# KiCad board panel.kicad_pcb (continued)
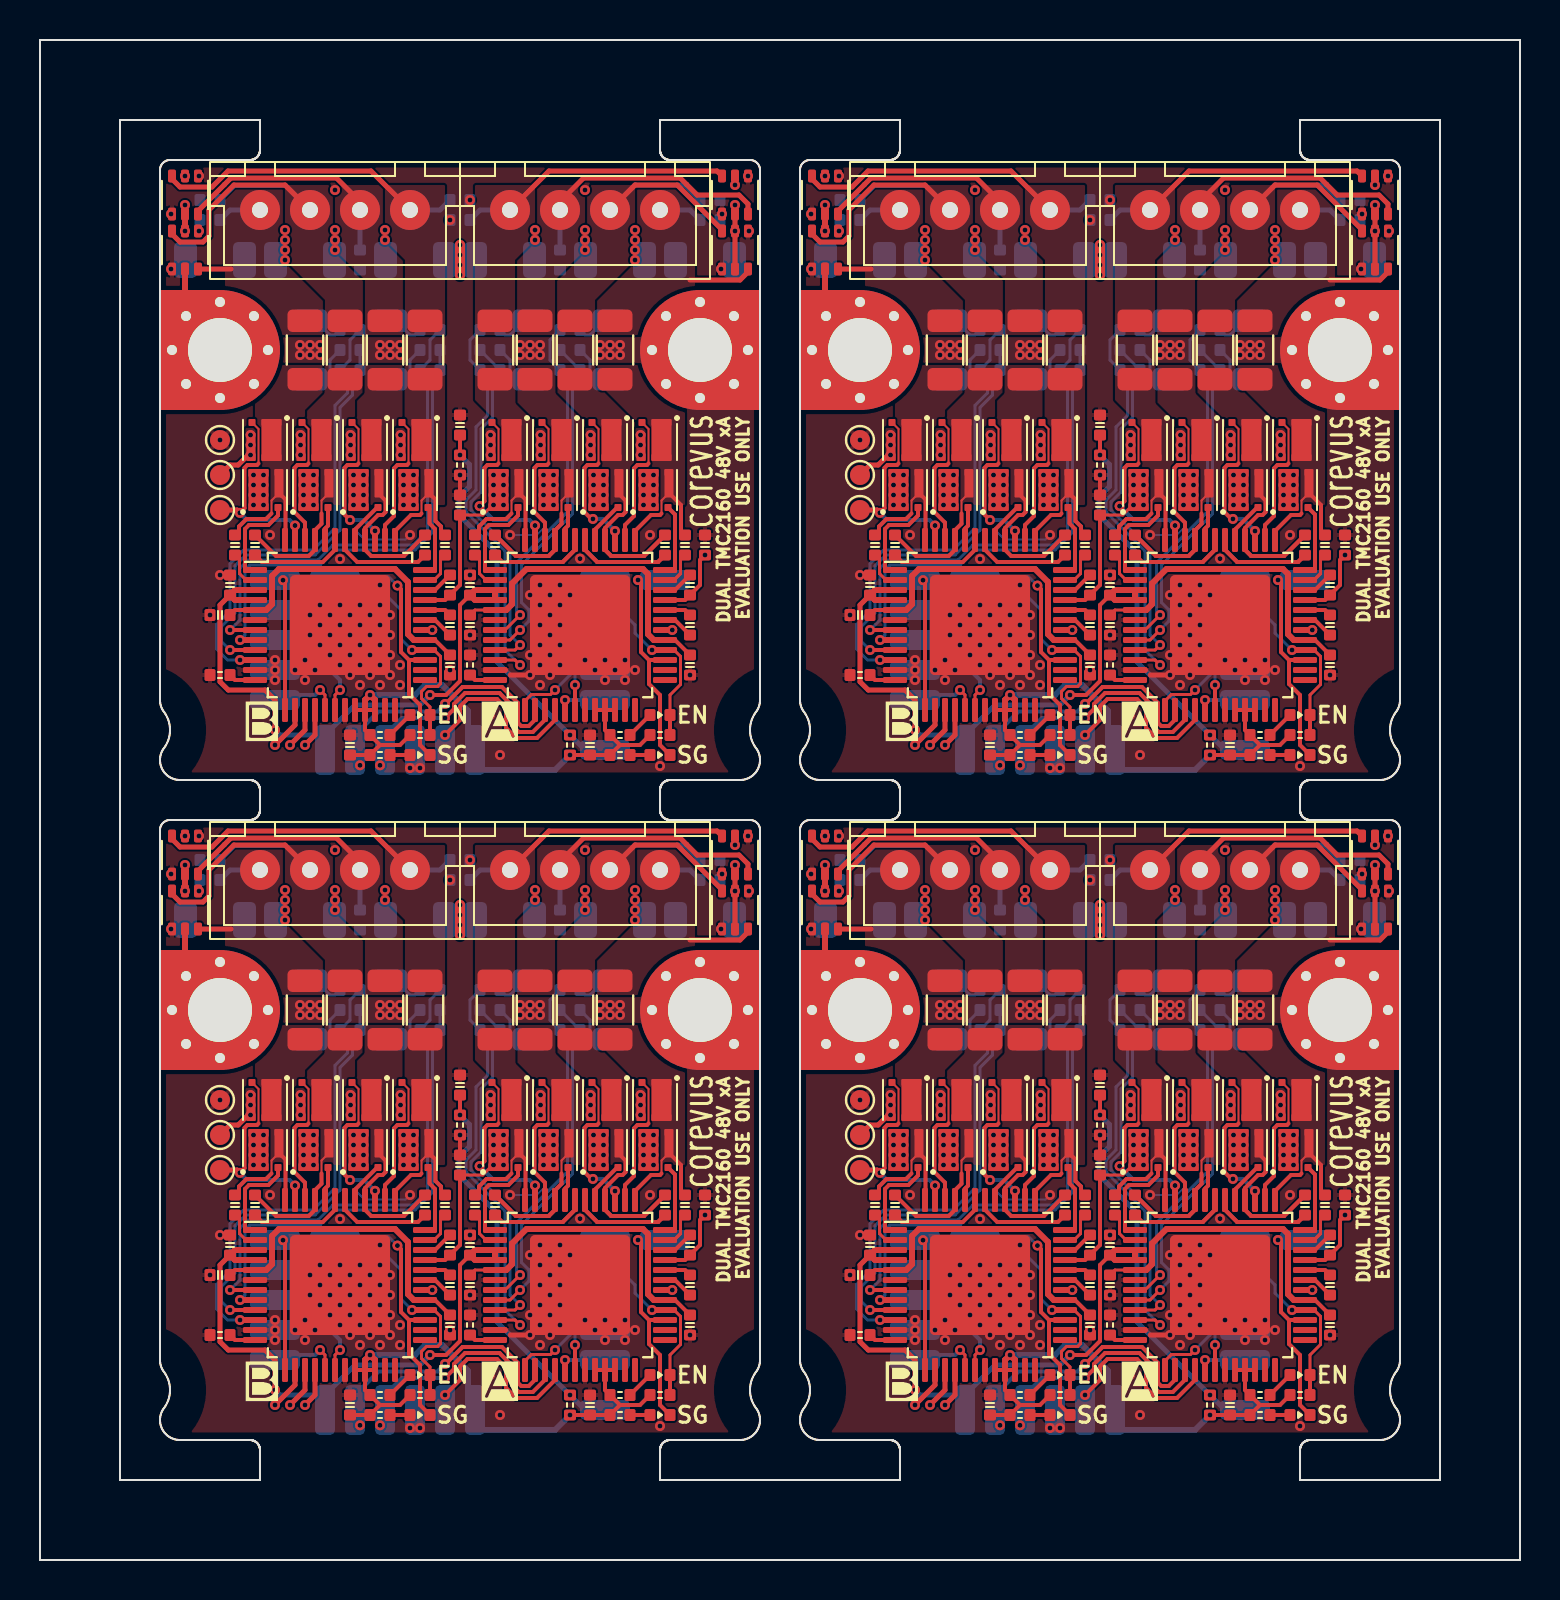
[diagram p0: board, top side]
## Routing (per net, layer and track width the routed paths; a pad name or vN(x,y) marks a point on that pad's centre or on a via; arc(x,y) is an arc through that point) (continued)
Board_2-Net-(U1-CA2): length 3.9
  Top w0.15: 31.71,16 32.03,16.32 ; 31.71,16 U1#4.35 31.71,16 ; 31.71,16 32.03,16.32 ; 32.03,16.32 32.03,17.03 ; 32.03,16.32 32.03,17.03 ; 32.03,17.03 C11#3.1 32.03,17.03
Board_2-Net-(U1-CB1): length 1.9
  Top w0.15: U1#4.2 22.29,16 21.97,16.32 21.97,17.03 C8#2.1
Board_2-Net-(U1-CB2): length 9.8
  Top w0.2: 26.75,17.51 U1#4.43 26.75,17.51 ; 26.75,17.51 26.14,16.9 ; 26.75,17.51 26.14,16.9 ; 23.1,16.9 26.14,16.9 ; 23.1,16.9 C9#4.1 23.1,16.9 ; 23.1,16.9 26.14,16.9
Board_2-Net-(U1-CLK): length 1.4
  Top w0.2: U1#4.12 21.75,11 R3#3.1
Board_2-Net-(U1-CPI): length 1.4
  Top w0.2: U1#4.32 32.25,14.5 C2.2
Board_2-Net-(U1-CPO): length 1.6
  Top w0.2: C2.1 31.75,14 U1#4.31
Board_2-Net-(U1-VCP): length 1.6
  Top w0.2: 32.53,16.28 31.75,15.5 U1#4.34
Board_2-Net-(U2-5VOUT): length 16.1
  Top w0.2: U2#4.5 9.75,14.5 C24#4.2 ; U2#4.29 19.75,13 C25#2.2
  Top w0.3: U2#4.29 18.69,13 18.4,13.29 18.4,15.9 17.75,16.55 11.95,16.55 11.6,16.2 11.6,14.79 11.31,14.5 U2#4.5
Board_2-Net-(U2-CA1): length 4.9
  Top w0.2: U2#4.42 15.25,17.51 15.86,16.9 18.9,16.9 C31#4.1
Board_2-Net-(U2-CA2): length 1.9
  Top w0.15: U2#4.35 19.71,16 20.03,16.32 20.03,17.03 C32#3.1
Board_2-Net-(U2-CB1): length 1.9
  Top w0.15: C29.1 9.97,17.03 9.97,16.32 10.29,16 U2#4.2
Board_2-Net-(U2-CB2): length 4.9
  Top w0.2: C30#4.1 11.1,16.9 14.14,16.9 14.75,17.51 U2#4.43
Board_2-Net-(U2-CLK): length 1.4
  Top w0.2: R5.1 9.75,11 U2#4.12
Board_2-Net-(U2-CPI): length 1.4
  Top w0.2: U2#4.32 20.25,14.5 C23#2.2
Board_2-Net-(U2-CPO): length 1.6
  Top w0.2: C23#2.1 19.75,14 U2#4.31
Board_2-Net-(U2-VCP): length 1.6
  Top w0.2: U2#4.34 19.75,15.5 C22#2.1
Board_2-VCC: length 28.9
  Top w0.2: 29,7.75 30,7.75 R2#4.1 ; 29,7.75 R16#2.1 C3#3.2 v1(26.5,7.25) ; 29,7.75 R1#4.1 28.25,8.5 U1#4.21 ; C26#3.2 R7#2.1 17,7.75 ; U2#4.21 U2#4.22 ; U2#4.21 16.25,8.5 R6.1 17,7.75 ; U2#4.21 U2#4.20 ; 17,7.75 18,7.75 R4#3.1 ; U1#4.21 U1#4.20 ; U1#4.21 U1#4.22
  Top w0.3: U2#4.22 16.75,10 v1(16.5,10.25) 16.25,10 U2#4.21
  Bottom w0.15: 21.9,7.4 21.75,7.25
  Bottom w0.3: v1(16.5,10.25) 18.75,10.25 19.25,10.75 20.11,10.75 21.4,9.46 21.4,7.6 21.75,7.25 ; 21.75,6.5 25.75,6.5 v1(26.5,7.25)
Board_3-+12V: length 31.1
  Top w0.2: C6.1 53,14.75 53,10.95 52.3,10.25 v1(51.5,10.25)
  Top w0.25: C27#4.1 41,14.75 41,10.91 41.41,10.5 43.25,10.5 43.75,10 v1(43.75,8.5)
  Top w0.3: U2#3.4 41.75,15 C27#4.1 41.75,15.5 U2#3.3 ; U1#2.3 53.75,15.5 C6.1 53.75,15 U1#2.4 U1#2.3
  Bottom w0.25: v1(51.5,10.25) 51,9.75 47.75,9.75 46.25,8.25 ; 46.25,8.25 46.25,7.25 ; 46.25,8.25 44,8.25 v1(43.75,8.5)
Board_3-+48V: length 19.1
  Top w0.15: v1(54.68,19.75) 54.63,19.75 54.13,19.25 C28#2.1
  Top w0.2: C28#2.1 53,15.75 52.25,15 U2#3.33 ; v1(65.25,17.25) 65,17 65,15.75 C1#3.2 64.25,15 U1#2.33
  Top w0.25: v1(66.75,34.75) D3#4.5 v1(66.75,33.45) D4#2.2 ; D3#4.2 v1(66.75,35.75)
  Top w0.3: D8#2.2 39.25,30 ; v1(39.25,33.45) D7#2.5 v1(39.25,34.75)
  Top w0.5: v1(53,32.75) v1(53,31.25)
  vias: v1(39.25,36.2) v1(42.68,21.25) v1(42.68,20.75) v1(42.68,20.25) v1(42.68,19.75) v1(43.18,21.25) v1(43.18,20.75) v1(43.18,20.25) v1(43.18,19.75) v1(44.25,33.5) v1(44.25,33) v1(44.25,32.5) v1(44.25,32) v1(45.18,21.25) v1(45.18,20.75) v1(45.18,20.25) v1(45.18,19.75) v1(45.68,21.25) v1(45.68,20.75) v1(45.68,20.25) v1(45.68,19.75) v1(47.68,21.25) v1(47.68,20.75) v1(47.68,20.25) v1(47.68,19.75) v1(48.18,21.25) v1(48.18,20.75) v1(48.18,20.25) v1(48.18,19.75) v1(50.18,21.25) v1(50.18,20.75) v1(50.18,20.25) v1(50.18,19.75) v1(50.68,21.25) v1(50.68,20.75) v1(50.68,20.25) v1(50.68,19.75) v1(53,32.25) v1(53,31.75) v1(54.68,21.25) v1(54.68,20.75) v1(54.68,20.25) v1(55.18,21.25) v1(55.18,20.75) v1(55.18,20.25) v1(55.18,19.75) v1(57.18,21.25) v1(57.18,20.75) v1(57.18,20.25) v1(57.18,19.75) v1(57.68,21.25) v1(57.68,20.75) v1(57.68,20.25) v1(57.68,19.75) v1(59.68,21.25) v1(59.68,20.75) v1(59.68,20.25) v1(59.68,19.75) v1(60.18,21.25) v1(60.18,20.75) v1(60.18,20.25) v1(60.18,19.75) v1(61.75,33.5) v1(61.75,33) v1(61.75,32.5) v1(61.75,32) v1(62.18,21.25) v1(62.18,20.75) v1(62.18,20.25) v1(62.18,19.75) v1(62.68,21.25) v1(62.68,20.75) v1(62.68,20.25) v1(62.68,19.75)
Board_3-/_{MA}A1: length 11.5
  Top w0.15: 60.95,20.35 Q5#2.7
  Top w0.2: U1#2.40 60.25,18.6 60.9,19.25 61.13,19.25 61.28,19.4 61.28,19.97 61,20.25 ; U1#2.40 60.25,17.51 ; U1#2.40 60.25,17.51 ; 60.56,17.2 62.2,17.2 ; 60.56,17.2 60.25,17.51 ; 60.56,17.2 60.25,17.51 ; 60.56,17.2 62.2,17.2 ; 62.2,17.2 C10#2.2 62.2,17.2
Board_3-/_{MA}A1': length 12.4
  Top w0.25: J1#2.3 61.75,35.75 63.86,35.75 66.1,33.51 D4#2.6
  Bottom w0.25: J1#2.3 61.75,35.75 64.25,35.75 C17.2
Board_3-/_{MA}A2: length 5.7
  Top w0.1: 63.45,20.35 63.07,19.97 63.07,19.32
  Top w0.2: U1#2.37 61.75,18.45 62.55,19.25 63,19.25 63.07,19.32 ; 63.45,20.35 64.05,19.75 64.05,18.45 C11#2.2
Board_3-/_{MA}A2': length 5.4
  Top w0.25: 64.5,31 67,31 67.4,31.4 D4#2.3
  Bottom w0.25: J1#2.4 64.5,34.5 C16#3.2
Board_3-/_{MA}B1: length 6.1
  Top w0.1: 55.95,20.35 55.57,19.97 55.57,19.32
  Top w0.2: C8#4.2 53.95,18.45 53.95,18.68 54.32,19.05 55.3,19.05 55.57,19.32 ; 55.95,20.35 56.28,20.02 56.28,18.02 U1#2.48
Board_3-/_{MA}B1': length 13.7
  Top w0.25: J1#2.1 57.45,36.45 65.85,36.45 D3#4.3
  Bottom w0.25: J1#2.1 54,34.5 C19#4.2
Board_3-/_{MA}B2: length 10.7
  Top w0.1: 58.45,20.35 58.07,19.97 58.07,19.32
  Top w0.2: 58.07,19.32 58.07,18.82 57.75,18.49 U1#2.45 ; 57.44,17.2 55.8,17.2 ; 57.44,17.2 55.8,17.2 ; 57.44,17.2 57.75,17.51 ; 57.44,17.2 57.75,17.51 ; 55.8,17.2 C9#3.2 55.8,17.2 ; U1#2.45 57.75,17.51 ; U1#2.45 57.75,17.51
Board_3-/_{MA}B2': length 13.3
  Top w0.25: D3#4.6 67.4,34.8 66.95,35.25 64.86,35.25 64.01,36.1 59.18,36.1 58,34.92 J1#2.2
  Bottom w0.25: C18#2.2 J1#2.2
Board_3-/_{MA}Dir: length 4.6
  Top w0.2: U1#2.18 v1(58.75,10.75)
  Bottom w0.15: v1(58.75,10.75) 58.75,12.25 59.5,13 T13#2.1
Board_3-/_{MA}HA1: length 2.1
  Top w0.2: Q5#2.3 60.85,19.62 59.75,18.52 U1#2.41
Board_3-/_{MA}HA2: length 3.3
  Top w0.2: Q7#3.3 63.75,19.27 63.75,16.5
Board_3-/_{MA}HB1: length 4.5
  Top w0.15: Q1#2.3 55.83,19.55
  Top w0.2: 54.25,16.5 54.25,18.55 54.45,18.75 55.42,18.75 55.9,19.23 Q1#2.3
Board_3-/_{MA}HB2: length 1.8
  Top w0.15: 58.32,19.55 Q3#3.3
  Top w0.2: Q3#3.3 58.4,18.72 58.25,18.57 U1#2.44
Board_3-/_{MA}LA1: length 8
  Top w0.1: Q6.3 59.93,23.55 59.93,21.82
  Top w0.15: v1(60.75,18.45) U1#2.39
  Top w0.2: 59.93,21.82 59.85,21.75 59.37,21.75 59.22,21.6 59.22,19.4 59.57,19.05 v1(59.65,19.05) ; U1#2.39 v1(60.75,18.45)
  Bottom w0.2: v1(60.75,18.45) 60.15,19.05 v1(59.65,19.05)
Board_3-/_{MA}LA2: length 7.2
  Top w0.1: Q8#2.3 62.43,23.55 62.43,21.82
  Top w0.15: U1#2.38 61.25,18.46
  Top w0.2: U1#2.38 61.25,18.75 61.7,19.2 61.7,21.58 61.87,21.75 62.35,21.75 62.43,21.82
Board_3-/_{MA}LB1: length 8.9
  Top w0.1: Q2#2.3 54.93,23.55 54.93,21.82
  Top w0.2: 54.93,21.82 54.85,21.75 54.37,21.75 54.22,21.6 54.22,19.94 v1(53.98,19.7) ; v1(56.75,18.72) U1#2.47
  Bottom w0.2: v1(56.75,18.72) 56.47,19 54.68,19 v1(53.98,19.7)
Board_3-/_{MA}LB2: length 6.8
  Top w0.1: Q4#4.3 57.43,23.55 57.43,21.82
  Top w0.2: U1#2.46 57.25,18.87 56.72,19.4 56.72,21.6 56.87,21.75 57.35,21.75 57.43,21.82
Board_3-/_{MA}SRAH: length 17.4
  Top w0.15: U1#2.8 55.5,13 v1(56,13.5)
  Bottom w0.15: v1(56,13.5) 56.45,13.95 56.45,14.5 56.07,14.87 56.07,16.75 58.62,19.3 58.62,26.13 C21.2 R11#4.2
Board_3-/_{MA}SRAL: length 17.5
  Top w0.15: v1(56,14.25) 55.25,13.5 U1#2.7
  Bottom w0.15: v1(56,14.25) 55.82,14.42 55.82,16.86 58.38,19.41 58.38,26.13 C21.1 57.5,27 57.5,28 R12#3.2
Board_3-/_{MA}SRBH: length 18.1
  Top w0.15: U1#2.9 55.75,12.5 v1(56,12.75)
  Bottom w0.15: v1(56,12.75) 55.5,13.25 55.5,17.55 53.55,19.5 53.55,19.9 54.05,20.4 54.05,23.55 54.62,24.12 54.62,26.13 C20.2 R8#2.2
Board_3-/_{MA}SRBL: length 20.2
  Top w0.15: v1(56,11.75) 55.75,12 U1#2.10
  Bottom w0.15: v1(56,11.75) 55.25,12.5 55.25,17.45 53.3,19.4 53.3,20 53.8,20.5 53.8,23.65 54.38,24.23 54.38,26.12 C20.1 53.5,27 53.5,28 R9.2
Board_3-/_{MA}Stall: length 11.6
  Top w0.2: D2.1 63,7.75 63,10.25 62.45,10.8 62.45,12 ; 62.45,12 U1#2.27 ; 62.45,12 62.05,12.4 62.05,15.85 v1(61.9,16)
  Bottom w0.5: v1(61.9,16) T17#2.1
Board_3-/_{MA}Step: length 2.6
  Top w0.2: U1#2.17 v1(58.25,10)
  Bottom w0.2: v1(58.25,10) 60,10 60.25,9.75
Board_3-/_{MA}~{CS}: length 8
  Top w0.15: v1(57.75,10.5) 57.52,10.27 56.57,10.27 56.25,9.96 U1#2.13
  Bottom w0.15: v1(57.75,10.5) 58.5,11.25 58.5,12.35 58.75,12.6 58.75,14.9 59.07,15.22 59.07,15.75
Board_3-/_{MA}~{En}: length 8.3
  Top w0.15: D1#2.1 63.5,10.25 64.03,10.77 64.03,12.18 63.71,12.5 U1#2.28 v1(62.6,12.5)
  Top w0.2: R2#3.2 D1#2.1
  Bottom w0.15: 61.05,14.45 61.75,13.75 61.75,13.35 v1(62.6,12.5)
Board_3-/_{MB}A1: length 7.5
  Top w0.15: 48.95,20.35 Q13.7
  Top w0.2: C31#3.2 50.2,17.2 48.56,17.2 48.25,17.51 U2#3.40 48.25,18.6 48.9,19.25 49.13,19.25 49.28,19.4 49.28,19.97 49,20.25
Board_3-/_{MB}A1': length 11.8
  Top w0.25: D7#2.6 39.9,34.45 41.55,36.1 46.82,36.1 48,34.92 J2#3.3
  Bottom w0.25: C35.2 J2#3.3
Board_3-/_{MB}A2: length 5.7
  Top w0.1: 51.45,20.35 51.07,19.97 51.07,19.32
  Top w0.2: U2#3.37 49.75,18.45 50.55,19.25 51,19.25 51.07,19.32 ; 51.45,20.35 51.78,20.02 51.78,18.95 52.05,18.68 52.05,18.45 C32.2
Board_3-/_{MB}A2': length 15.6
  Top w0.25: D7#2.3 38.6,36.05 39,35.65 40.6,35.65 41.4,36.45 48.55,36.45 J2#3.4
  Bottom w0.25: J2#3.4 52,34.5 C34.2
Board_3-/_{MB}B1: length 6.1
  Top w0.1: 43.57,19.32 43.57,19.97 43.95,20.35
  Top w0.2: U2#3.48 44.28,18.02 44.28,20.02 43.95,20.35 ; C29#2.2 41.95,18.45 41.95,18.68 42.32,19.05 43.3,19.05 43.57,19.32
Board_3-/_{MB}B1': length 3.9
  Top w0.25: D8#2.3 41.55,31.55
  Bottom w0.25: C37#3.2 41.5,34.5 J2#3.1
Board_3-/_{MB}B2: length 6.7
  Top w0.1: 46.45,20.35 46.07,19.97 46.07,19.32
  Top w0.2: C30.2 43.8,17.2 45.44,17.2 45.75,17.51 U2#3.45 45.75,18.49 46.07,18.82 46.07,19.32
Board_3-/_{MB}B2': length 15.3
  Top w0.25: D8#2.6 38.6,33.3 39,32.9 40.15,32.9 40.45,33.2 40.45,34.51 41.69,35.75 44.25,35.75 J2#3.2
  Bottom w0.25: 45.75,34.25 J2#3.2 44.28,35.73 41.72,35.73 C36#4.2
Board_3-/_{MB}Dir: length 4.6
  Top w0.15: U2#3.18 46.75,10.25 v1(47,10.5)
  Bottom w0.2: 44.75,12.75 45.25,12.75 47,11 v1(47,10.5)
Board_3-/_{MB}HA1: length 2.1
  Top w0.2: Q13.3 48.85,19.62 47.75,18.52 U2#3.41
Board_3-/_{MB}HA2: length 3.3
  Top w0.2: Q15#3.3 51.47,19.55 51.47,18.83 51.75,18.55 51.75,16.5
Board_3-/_{MB}HB1: length 4.5
  Top w0.15: Q9.3 43.83,19.55
  Top w0.2: 42.25,16.5 42.25,18.55 42.45,18.75 43.42,18.75 43.9,19.23 Q9.3
Board_3-/_{MB}HB2: length 1.8
  Top w0.15: 46.32,19.55 Q11#2.3
  Top w0.2: U2#3.44 46.25,18.57 46.4,18.72 Q11#2.3
Board_3-/_{MB}LA1: length 7.6
  Top w0.1: Q14.3 47.93,23.55 47.93,21.82
  Top w0.2: 47.93,21.82 47.85,21.75 47.37,21.75 47.22,21.6 47.22,19.27 v1(47.5,19) ; U2#3.39 v1(48.75,18.46)
  Bottom w0.2: v1(48.75,18.46) 48.21,19 v1(47.5,19)
Board_3-/_{MB}LA2: length 7.2
  Top w0.1: 50.43,21.82 50.43,23.55 Q16#2.3
  Top w0.15: U2#3.38 49.25,18.46
  Top w0.2: 50.43,21.82 50.35,21.75 49.87,21.75 49.7,21.58 49.7,19.2 49.25,18.75 U2#3.38
Board_3-/_{MB}LB1: length 10.1
  Top w0.1: 42.93,21.82 42.93,23.55 Q10#4.3
  Top w0.2: v1(44.75,18.72) U2#3.47 ; v1(41.99,19.36) 42.22,19.59 42.22,21.6 42.37,21.75 42.85,21.75 42.93,21.82
  Top w0.25: TP5#3.1 41.85,19.5 v1(41.99,19.36)
  Bottom w0.2: v1(44.75,18.72) 44.47,19 42.35,19 v1(41.99,19.36)
Board_3-/_{MB}LB2: length 6.8
  Top w0.1: 45.43,21.82 45.43,23.55 Q12.3
  Top w0.2: 45.43,21.82 45.35,21.75 44.87,21.75 44.72,21.6 44.72,19.4 45.25,18.87 U2#3.46
Board_3-/_{MB}SRAH: length 23.8
  Top w0.2: U2#3.8 v1(42,13)
  Bottom w0.15: v1(42,13) 42.25,13.25 42.25,16.5 42.5,16.75 46,16.75 46.75,17.5 50.75,17.5 51.62,18.37 51.62,26.13 C41#3.2 R19#4.2
Board_3-/_{MB}SRAL: length 25.3
  Top w0.2: U2#3.7 v1(41.5,13.5)
  Bottom w0.15: R21.2 51.5,28 51.5,27 C41#3.1 51.38,26.13 51.38,18.48 50.65,17.75 46.65,17.75 45.9,17 42.4,17 42,16.6 42,14 v1(41.5,13.5)
Board_3-/_{MB}SRBH: length 21.2
  Top w0.2: U2#3.9 v1(41.5,12.5)
  Bottom w0.15: 48,27.38 C33#4.2 47.62,26.13 47.62,25.25 47,24.62 47,18.5 45.75,17.25 42.29,17.25 41.75,16.71 41.75,14.35 41.07,13.68 41.07,12.92 v1(41.5,12.5)
Board_3-/_{MB}SRBL: length 23.4
  Top w0.2: U2#3.10 v1(42,12)
  Bottom w0.15: R15#3.2 47.5,28 47.5,27 C33#4.1 47.38,26.12 47.38,25.35 46.75,24.73 46.75,18.6 45.65,17.5 42.19,17.5 41.5,16.81 41.5,14.45 40.82,13.78 40.82,12.55 41.38,12 v1(42,12)
Board_3-/_{MB}Stall: length 13.4
  Top w0.2: D6#4.1 51,7.75 51,9.75 50.45,10.3 50.45,12 ; 50.45,12 50.05,12.4 50.05,15.54 v1(49.87,15.72) ; 50.45,12 U2#3.27
  Bottom w0.15: 46.75,15.75 47.18,16.17 49.42,16.17 v1(49.87,15.72)
Board_3-/_{MB}Step: length 2.9
  Top w0.15: v1(46,10.5) 46.25,10.25 U2#3.17
  Bottom w0.2: v1(46,10.5) 45.75,10.25 45,10.25 44.5,9.75
Board_3-/_{MB}~{CS}: length 6.5
  Top w0.2: U2#3.13 44.25,15.89 v1(44.15,15.99)
Board_3-/_{MB}~{En}: length 15.5
  Top w0.15: v1(50.6,12.5) U2#3.28 51.71,12.5 52.03,12.18 52.03,10.82 51.88,10.67 51.32,10.67 51.07,10.43 51.07,10.07 51.5,9.65 D5#2.1
  Top w0.2: R4#2.2 D5#2.1
  Bottom w0.15: T19#4.1 44.5,14.5 45.25,15.25 49.3,15.25 50.05,14.5 50.05,13.05 v1(50.6,12.5)
Board_3-/SCK: length 19.1
  Top w0.2: v1(52.25,9.8) 52.28,9.8 53.13,10.65 55.1,10.65 55.9,9.85 55.9,8.86 56.06,8.7 56.44,8.7 56.75,9.01 U1#2.14
  Top w0.25: U2#3.14 44.75,8.75 v1(43.75,7.75)
  In4.Cu w0.2: v1(43.75,7.75) 44.55,6.95 47.79,6.95 v1(48,6.74)
  Bottom w0.2: 47.75,8 47.75,8.25 48.93,9.42 51.88,9.42 v1(52.25,9.8)
Board_3-/SDI: length 18.4
  Top w0.2: U1#2.15 57.25,9.01 56.64,8.4 55.93,8.4 55.6,8.73 55.6,9.73 54.98,10.35 53.25,10.35 52.7,9.8 52.7,9.55 v1(52.25,9.1)
  Top w0.25: U2#3.15 45.25,8.5 v1(44.5,7.75)
  In4.Cu w0.2: v1(44.5,7.75) 45,7.25 48.49,7.25 v1(49,6.74)
  Bottom w0.2: v1(52.25,9.1) 50.1,9.1 49.25,8.25 49.25,8
Board_3-/SDO: length 19
  Top w0.2: U1#2.16 57.75,9 56.85,8.1 55.81,8.1 55.3,8.61 55.3,9.6 54.85,10.05 53.37,10.05 53,9.68 53,9 v1(52.25,8.25)
  Top w0.25: v1(45.25,7.75) 45.75,8.25 U2#3.16
  In4.Cu w0.2: v1(45.25,7.75) 45.45,7.55 51.55,7.55 v1(52.25,8.25)
  Bottom w0.15: 52.25,8 52.25,7.25
Board_3-/THERM: length 19.9
  Top w0.2: C13#3.1 v1(53,22.25)
  Bottom w0.15: 61,7.25 60.25,7.25
  Bottom w0.25: v1(53,22.25) 53.47,21.77 53.47,20.67 52.95,20.15 52.95,19.25 54.85,17.35 54.85,11.9 v1(58.5,8.25) 59.5,7.25
Board_3-GND: length 8.3
  Top w0.2: C28#2.2 v1(53,21.25)
  Top w0.25: 55.53,11.25 v1(56.5,11.25) v1(57,11.75) ; U1#2.11 55.28,11.5
  Top w0.3: v1(39.95,36.2) D7#2.1
  Bottom w0.1: 47.75,18.5 48.22,18.02 50.28,18.02 v1(50.5,18.25) ; 57.25,18.75 57.25,18.66 56.84,18.25 v1(55.5,18.25)
  vias: v1(38.55,34.3) v1(38.55,31.55) v1(39.95,33.45) v1(40.5,14.25) v1(41,23) v1(41,16.25) v1(43.5,18.25) v1(43.75,12) v1(43.75,11.5) v1(43.75,11) v1(44.75,11.5) v1(45,27.75) v1(45,27.25) v1(45.25,12) v1(45.25,11) v1(45.5,27.75) v1(45.5,27.25) v1(45.5,14.25) v1(45.5,13.25) v1(45.75,11.5) v1(46,27.75) v1(46,27.25) v1(46,14.75) v1(46,13.75) v1(46,12.75) v1(46.5,14.25) v1(46.5,13.25) v1(46.5,12.25) v1(46.75,35.5) v1(46.75,33.5) v1(46.75,33) v1(46.75,32.5) v1(47,17.05) v1(47,14.75) v1(47,13.75) v1(47,12.75) v1(47,11.75) v1(47.5,14.25) v1(47.5,13.25) v1(47.5,12.25) v1(47.5,11.25) v1(48,14.75) v1(48,13.75) v1(48,12.75) v1(48,11.75) v1(48,10.75) v1(48.5,14.25) v1(48.5,13.25) v1(48.5,12.25) v1(48.5,11.25) v1(49,27.75) v1(49,27.25) v1(49,15.75) v1(49,14.75) v1(49,13.75) v1(49,12.75) v1(49,11.75) v1(49,10.75) v1(49.25,33.5) v1(49.25,33) v1(49.5,27.75) v1(49.5,27.25) v1(49.5,14.25) v1(49.5,13.25) v1(49.5,12.25) v1(49.5,11.25) v1(50,27.75) v1(50,27.25) v1(50,11.75) v1(50,10.75) v1(50.5,6.6) v1(51,6.6) v1(51.61,13.5) v1(52.5,34) v1(52.5,11.5) v1(53.5,35) v1(53.5,16.25) v1(53.5,13.25) v1(54.5,9.25) v1(55,7.25) v1(56,27.75) v1(56,27.25) v1(56.5,27.75) v1(56.5,27.25) v1(56.5,15.25) v1(56.5,12.25) v1(56.75,33.5) v1(56.75,33) v1(57,27.75) v1(57,27.25) v1(57,15.75) v1(57,14.75) v1(57,13.75) v1(57,12.75) v1(57,10.75) v1(57.5,15.25) v1(57.5,14.25) v1(57.5,13.25) v1(57.5,12.25) v1(57.5,11.25) v1(58,15.75) v1(58,14.75) v1(58,13.75) v1(58,12.75) v1(58,11.75) v1(58.5,15.25) v1(59,17.07) v1(59.25,35.5) v1(59.25,33.5) v1(59.25,33) v1(59.25,32.5) v1(59.25,12) v1(59.75,11.5) v1(60,27.75) v1(60,27.25) v1(60.25,12) v1(60.25,11) v1(60.5,27.75) v1(60.5,27.25) v1(60.75,11.5) v1(61,27.75) v1(61,27.25) v1(61.25,12) v1(61.25,11) v1(61.75,11.5) v1(62.5,18.25) v1(63,6.7) v1(63.61,13.5) v1(64.5,11.25) v1(66.1,34.3) v1(66.05,31.55) v1(67.4,36.2) v1(67.45,33.45)
Board_3-Net-(D1-A): length 1.4
  Top w0.2: R1#3.2 D1#2.2
Board_3-Net-(D2-A): length 1
  Top w0.2: R16#4.2 D2.2
Board_3-Net-(D5-A): length 1.4
  Top w0.2: D5#2.2 R6#2.2
Board_3-Net-(D6-A): length 1
  Top w0.2: R7#4.2 D6#4.2
Board_3-Net-(NT1-Pad1): length 1
  Bottom w0.15: NT1#4.1 55.5,28.25 55.25,28.25 R9.1
Board_3-Net-(NT2-Pad2): length 1
  Bottom w0.15: NT2.2 59.5,28.25 59.25,28.25 R12#3.1
Board_3-Net-(NT3-Pad1): length 1
  Bottom w0.15: NT3#2.1 46.5,28.25 46.75,28.25 R15#3.1
Board_3-Net-(NT4-Pad2): length 1
  Bottom w0.15: R21.1 50.75,28.25 50.5,28.25 NT4.2
Board_3-Net-(Q2-S-Pad4): length 1.2
  Bottom w0.15: R8#2.1 55.5,27 55.5,26.5
  vias: v1(54.53,23.25) v1(54.53,22.75) v1(54.53,22.25) v1(57.03,23.25) v1(57.03,22.75) v1(57.03,22.25)
Board_3-Net-(Q6-S-Pad4): length 1.2
  Bottom w0.15: R11#4.1 59.5,27 59.5,26.5
  vias: v1(59.53,23.25) v1(59.53,22.75) v1(59.53,22.25) v1(62.03,23.25) v1(62.03,22.75) v1(62.03,22.25)
Board_3-Net-(Q10-S-Pad4): length 3.1
  Top w0.25: v1(42.53,22.25) 42.41,22.25 41.91,21.75 41.5,21.75 TP6#2.1
  Bottom w0.15: 46.5,26.5 46.5,27 R14#3.1
  vias: v1(42.53,23.25) v1(42.53,22.75) v1(45.03,23.25) v1(45.03,22.75) v1(45.03,22.25)
Board_3-Net-(Q14-S-Pad4): length 1.2
  Bottom w0.15: R19#4.1 50.5,27 50.5,26.5
  vias: v1(47.53,23.25) v1(47.53,22.75) v1(47.53,22.25) v1(50.03,23.25) v1(50.03,22.75) v1(50.03,22.25)
Board_3-Net-(U1-5VOUT): length 16.1
  Top w0.15: C4#3.2 53.75,14.5 U1#2.5
  Top w0.2: C5.2 63.75,13 U1#2.29
  Top w0.3: U1#2.29 62.69,13 62.4,13.29 62.4,16.3 62.15,16.55 56.32,16.55 55.6,15.83 55.6,14.79 55.31,14.5 U1#2.5
Board_3-Net-(U1-CA1): length 9.8
  Top w0.2: 62.9,16.9 59.86,16.9 ; 62.9,16.9 C10#2.1 62.9,16.9 ; 62.9,16.9 59.86,16.9 ; 59.86,16.9 59.25,17.51 ; 59.86,16.9 59.25,17.51 ; 59.25,17.51 U1#2.42 59.25,17.51
Board_3-Net-(U1-CA2): length 3.9
  Top w0.15: 64.03,17.03 64.03,16.32 ; 64.03,17.03 C11#2.1 64.03,17.03 ; 64.03,17.03 64.03,16.32 ; 64.03,16.32 63.71,16 ; 64.03,16.32 63.71,16 ; 63.71,16 U1#2.35 63.71,16
Board_3-Net-(U1-CB1): length 1.9
  Top w0.15: U1#2.2 54.29,16 53.97,16.32 53.97,17.03 C8#4.1
Board_3-Net-(U1-CB2): length 9.8
  Top w0.2: 58.75,17.51 U1#2.43 58.75,17.51 ; 58.75,17.51 58.14,16.9 ; 58.75,17.51 58.14,16.9 ; 55.1,16.9 58.14,16.9 ; 55.1,16.9 C9#3.1 55.1,16.9 ; 55.1,16.9 58.14,16.9
Board_3-Net-(U1-CLK): length 1.4
  Top w0.2: R3#4.1 53.75,11 U1#2.12
Board_3-Net-(U1-CPI): length 1.4
  Top w0.2: U1#2.32 64.25,14.5 C2#4.2
Board_3-Net-(U1-CPO): length 1.6
  Top w0.2: C2#4.1 63.75,14 U1#2.31
Board_3-Net-(U1-VCP): length 1.6
  Top w0.2: 64.53,16.28 63.75,15.5 U1#2.34
Board_3-Net-(U2-5VOUT): length 16.1
  Top w0.2: U2#3.5 41.75,14.5 C24#3.2 ; U2#3.29 51.75,13 C25#3.2
  Top w0.3: U2#3.29 50.69,13 50.4,13.29 50.4,15.9 49.75,16.55 43.95,16.55 43.6,16.2 43.6,14.79 43.31,14.5 U2#3.5
Board_3-Net-(U2-CA1): length 4.9
  Top w0.2: U2#3.42 47.25,17.51 47.86,16.9 50.9,16.9 C31#3.1
Board_3-Net-(U2-CA2): length 1.9
  Top w0.15: U2#3.35 51.71,16 52.03,16.32 52.03,17.03 C32.1
Board_3-Net-(U2-CB1): length 1.9
  Top w0.15: U2#3.2 42.29,16 41.97,16.32 41.97,17.03 C29#2.1
Board_3-Net-(U2-CB2): length 4.9
  Top w0.2: U2#3.43 46.75,17.51 46.14,16.9 43.1,16.9 C30.1
Board_3-Net-(U2-CLK): length 1.4
  Top w0.2: U2#3.12 41.75,11 R5#4.1
Board_3-Net-(U2-CPI): length 1.4
  Top w0.2: C23.2 52.25,14.5 U2#3.32
Board_3-Net-(U2-CPO): length 1.6
  Top w0.2: C23.1 51.75,14 U2#3.31
Board_3-Net-(U2-VCP): length 1.6
  Top w0.2: U2#3.34 51.75,15.5 C22#4.1
Board_3-VCC: length 28.9
  Top w0.2: U1#2.21 U1#2.22 ; U1#2.21 60.25,8.5 R1#3.1 61,7.75 ; U1#2.21 U1#2.20 ; 49,7.75 R7#4.1 C26#4.2 ; 49,7.75 R6#2.1 48.25,8.5 U2#3.21 ; 49,7.75 50,7.75 R4#2.1 ; 61,7.75 R16#4.1 C3#4.2 v1(58.5,7.25) ; 61,7.75 62,7.75 R2#3.1 ; U2#3.21 U2#3.22 ; U2#3.21 U2#3.20
  Top w0.3: U2#3.22 48.75,10 v1(48.5,10.25) 48.25,10 U2#3.21
  Bottom w0.15: 53.9,7.4 53.75,7.25
  Bottom w0.3: 53.75,7.25 53.4,7.6 53.4,9.46 52.11,10.75 51.25,10.75 50.75,10.25 v1(48.5,10.25) ; v1(58.5,7.25) 57.75,6.5 53.75,6.5

## Copper pours and planes (outline as drawn; the poured copper is in the pictures)
Board_0-+48V on Bottom: 12.5,64.1 12.5,67.5 9.65,67.5 9.65,64.1
Board_0-+48V on Bottom: 32.35,64.1 32.35,67.5 29.5,67.5 29.5,64.1
Board_0-+48V on Bottom: 10,54.75 31,54.75 31,52.25 10.25,52.25 10,52.5
Board_0-+48V on Bottom: 22.35,64.1 22.35,65.9 19.65,65.9 19.65,64.1
Board_0-+48V on In2.Cu, In3.Cu: 6,70 6,50.25 36,50.25 36,70
Board_0-/_{MA}A1 on Top: 27.88,57.05 27.88,52.75 29.75,52.75 29.75,57.05
Board_0-/_{MA}A1 on Top: 27.88,59.75 25.88,59.75 25.88,58.38 27.25,57 29.75,57 27.88,58.88
Board_0-/_{MA}A1' on Top: 27.25,68.75 29.75,68.75 29.75,65 27.75,63 27.75,61.25 25.75,61.25 25.75,64 27.25,65.5
Board_0-/_{MA}A2 on Top: 30.38,57.05 30.38,52.75 32.25,52.75 32.25,57.05
Board_0-/_{MA}A2 on Top: 27.88,59.75 30.5,59.75 32.25,58 32.25,57 29.75,57 27.88,58.88
Board_0-/_{MA}A2' on Top: 29.75,65 29.75,68.75 32.75,68.75 32.75,63.25 30.75,61.25 27.75,61.25 27.75,63
Board_0-/_{MA}B1 on Top: 22.88,57.05 22.88,52.75 24.75,52.75 24.75,57.05
Board_0-/_{MA}B1 on Top: 23.88,59.75 21.75,59.75 21.75,58 22.75,57 24.75,57 23.88,57.88
Board_0-/_{MA}B1' on Top: 21.75,68.75 24.75,68.75 24.75,66 23.75,65 23.75,61.25 21.75,61.25
Board_0-/_{MA}B2 on Top: 25.38,57.05 25.38,52.75 27.25,52.75 27.25,57.05
Board_0-/_{MA}B2 on Top: 25.88,59.75 23.88,59.75 23.88,57.88 24.75,57 27.25,57 25.88,58.38
Board_0-/_{MA}B2' on Top: 24.75,68.75 27.25,68.75 27.25,65.5 25.75,64 25.75,61.25 23.75,61.25 23.75,65 24.75,66
Board_0-/_{MB}A1 on Top: 18.12,59.75 16.12,59.75 16.12,58.38 15.75,58 15.75,56.5 17.75,56.5 18.12,56.88
Board_0-/_{MB}A1 on Top: 15.88,57.05 15.88,52.75 17.75,52.75 17.75,57.05
Board_0-/_{MB}A1' on Top: 17.25,68.75 14.75,68.75 14.75,65.5 16.25,64 16.25,61.25 18.25,61.25 18.25,65 17.25,66
Board_0-/_{MB}A2 on Top: 18.38,57.05 18.38,52.75 20.25,52.75 20.25,57.05
Board_0-/_{MB}A2 on Top: 20.25,56.5 20.25,59.75 18.12,59.75 18.12,56.5
Board_0-/_{MB}A2' on Top: 20.25,68.75 17.25,68.75 17.25,66 18.25,65 18.25,61.25 20.25,61.25
Board_0-/_{MB}B1 on Top: 10.88,57.05 10.88,52.75 12.75,52.75 12.75,57.05
Board_0-/_{MB}B1 on Top: 14.12,59.75 10.75,59.75 10.75,56.5 13.25,56.5 13.25,57.5 14.12,58.38
Board_0-/_{MB}B1' on Top: 12.25,65 12.25,68.75 9.25,68.75 9.25,63.25 11.25,61.25 14.25,61.25 14.25,63
Board_0-/_{MB}B2 on Top: 16.12,59.75 14.12,59.75 14.12,58.38 13.25,57.5 13.25,56.5 15.75,56.5 15.75,58 16.12,58.38
Board_0-/_{MB}B2 on Top: 13.38,57.05 13.38,52.75 15.25,52.75 15.25,57.05
Board_0-/_{MB}B2' on Top: 14.75,68.75 12.25,68.75 12.25,65 14.25,63 14.25,61.25 16.25,61.25 16.25,64 14.75,65.5
Board_0-GND on Top: 29,61.15 29,59.85 30.6,59.85 30.6,61.15
Board_0-GND on Top: 32.35,58.1 32.35,56.8 36,56.8 36,58.1
Board_0-GND on Top, Bottom: 17.75,49.5 17.75,44 12.25,44 12.25,49.5
Board_0-GND on Top, Bottom: 36,39 36,70 6,70 6,39
Board_0-GND on Top, Bottom: 29.75,49.5 29.75,44 24.25,44 24.25,49.5
Board_0-GND on Bottom: 29.75,45.25 29.75,43.75 26.75,43.75 26.75,45.25
Board_0-GND on Bottom: 13.25,45.25 13.25,43.75 10.25,43.75 10.25,45.25
Board_0-GND on Bottom: 19.5,55.75 21.75,55.75 21.75,53.5 21.25,53 21.25,52 19.5,52
Board_0-GND on Bottom: 5.5,66.25 5.5,61 28.5,61 28.5,57.5 36.5,57.5 36.5,66.25
Board_0-GND on Bottom: 18,42 19.5,42 19.5,39 18,39
Board_0-GND on In1.Cu, In2.Cu, In3.Cu, In4.Cu: 36,39 36,70 6,70 6,39
Board_0-Net-(Q2-S-Pad4) on Bottom: 22.5,57.5 21.88,56.88 21.88,55 26.5,55 26.5,59.6 22.5,59.6
Board_0-Net-(Q6-S-Pad4) on Bottom: 30.5,59.25 31,58.75 31,55 26.5,55 26.5,59.6 30.5,59.6
Board_0-Net-(Q10-S-Pad4) on Bottom: 10,55 15,55 15,58 15.5,58.5 15.5,59.6 10,59.6
Board_0-Net-(Q14-S-Pad4) on Bottom: 15.5,58.5 15,58 15,55 19.5,55 19.5,59.6 15.5,59.6
Board_1-+48V on Bottom: 44.5,64.1 44.5,67.5 41.65,67.5 41.65,64.1
Board_1-+48V on Bottom: 42,54.75 63,54.75 63,52.25 42.25,52.25 42,52.5
Board_1-+48V on Bottom: 64.35,64.1 64.35,67.5 61.5,67.5 61.5,64.1
Board_1-+48V on Bottom: 54.35,64.1 54.35,65.9 51.65,65.9 51.65,64.1
Board_1-+48V on In2.Cu, In3.Cu: 38,70 38,50.25 68,50.25 68,70
Board_1-/_{MA}A1 on Top: 59.88,57.05 59.88,52.75 61.75,52.75 61.75,57.05
Board_1-/_{MA}A1 on Top: 59.88,59.75 57.88,59.75 57.88,58.38 59.25,57 61.75,57 59.88,58.88
Board_1-/_{MA}A1' on Top: 59.25,68.75 61.75,68.75 61.75,65 59.75,63 59.75,61.25 57.75,61.25 57.75,64 59.25,65.5
Board_1-/_{MA}A2 on Top: 59.88,59.75 62.5,59.75 64.25,58 64.25,57 61.75,57 59.88,58.88
Board_1-/_{MA}A2 on Top: 62.38,57.05 62.38,52.75 64.25,52.75 64.25,57.05
Board_1-/_{MA}A2' on Top: 61.75,65 61.75,68.75 64.75,68.75 64.75,63.25 62.75,61.25 59.75,61.25 59.75,63
Board_1-/_{MA}B1 on Top: 55.88,59.75 53.75,59.75 53.75,58 54.75,57 56.75,57 55.88,57.88
Board_1-/_{MA}B1 on Top: 54.88,57.05 54.88,52.75 56.75,52.75 56.75,57.05
Board_1-/_{MA}B1' on Top: 53.75,68.75 56.75,68.75 56.75,66 55.75,65 55.75,61.25 53.75,61.25
Board_1-/_{MA}B2 on Top: 57.38,57.05 57.38,52.75 59.25,52.75 59.25,57.05
Board_1-/_{MA}B2 on Top: 57.88,59.75 55.88,59.75 55.88,57.88 56.75,57 59.25,57 57.88,58.38
Board_1-/_{MA}B2' on Top: 56.75,68.75 59.25,68.75 59.25,65.5 57.75,64 57.75,61.25 55.75,61.25 55.75,65 56.75,66
Board_1-/_{MB}A1 on Top: 50.12,59.75 48.12,59.75 48.12,58.38 47.75,58 47.75,56.5 49.75,56.5 50.12,56.88
Board_1-/_{MB}A1 on Top: 47.88,57.05 47.88,52.75 49.75,52.75 49.75,57.05
Board_1-/_{MB}A1' on Top: 49.25,68.75 46.75,68.75 46.75,65.5 48.25,64 48.25,61.25 50.25,61.25 50.25,65 49.25,66
Board_1-/_{MB}A2 on Top: 52.25,56.5 52.25,59.75 50.12,59.75 50.12,56.5
Board_1-/_{MB}A2 on Top: 50.38,57.05 50.38,52.75 52.25,52.75 52.25,57.05
Board_1-/_{MB}A2' on Top: 52.25,68.75 49.25,68.75 49.25,66 50.25,65 50.25,61.25 52.25,61.25
Board_1-/_{MB}B1 on Top: 46.12,59.75 42.75,59.75 42.75,56.5 45.25,56.5 45.25,57.5 46.12,58.38
Board_1-/_{MB}B1 on Top: 42.88,57.05 42.88,52.75 44.75,52.75 44.75,57.05
Board_1-/_{MB}B1' on Top: 44.25,65 44.25,68.75 41.25,68.75 41.25,63.25 43.25,61.25 46.25,61.25 46.25,63
Board_1-/_{MB}B2 on Top: 45.38,57.05 45.38,52.75 47.25,52.75 47.25,57.05
Board_1-/_{MB}B2 on Top: 48.12,59.75 46.12,59.75 46.12,58.38 45.25,57.5 45.25,56.5 47.75,56.5 47.75,58 48.12,58.38
Board_1-/_{MB}B2' on Top: 46.75,68.75 44.25,68.75 44.25,65 46.25,63 46.25,61.25 48.25,61.25 48.25,64 46.75,65.5
Board_1-GND on Top: 64.35,58.1 64.35,56.8 68,56.8 68,58.1
Board_1-GND on Top: 61,61.15 61,59.85 62.6,59.85 62.6,61.15
Board_1-GND on Top, Bottom: 68,39 68,70 38,70 38,39
Board_1-GND on Top, Bottom: 61.75,49.5 61.75,44 56.25,44 56.25,49.5
Board_1-GND on Top, Bottom: 49.75,49.5 49.75,44 44.25,44 44.25,49.5
Board_1-GND on Bottom: 37.5,66.25 37.5,61 60.5,61 60.5,57.5 68.5,57.5 68.5,66.25
Board_1-GND on Bottom: 51.5,55.75 53.75,55.75 53.75,53.5 53.25,53 53.25,52 51.5,52
Board_1-GND on Bottom: 50,42 51.5,42 51.5,39 50,39
Board_1-GND on Bottom: 61.75,45.25 61.75,43.75 58.75,43.75 58.75,45.25
Board_1-GND on Bottom: 45.25,45.25 45.25,43.75 42.25,43.75 42.25,45.25
Board_1-GND on In1.Cu, In2.Cu, In3.Cu, In4.Cu: 68,39 68,70 38,70 38,39
Board_1-Net-(Q2-S-Pad4) on Bottom: 54.5,57.5 53.88,56.88 53.88,55 58.5,55 58.5,59.6 54.5,59.6
Board_1-Net-(Q6-S-Pad4) on Bottom: 62.5,59.25 63,58.75 63,55 58.5,55 58.5,59.6 62.5,59.6
Board_1-Net-(Q10-S-Pad4) on Bottom: 42,55 47,55 47,58 47.5,58.5 47.5,59.6 42,59.6
Board_1-Net-(Q14-S-Pad4) on Bottom: 47.5,58.5 47,58 47,55 51.5,55 51.5,59.6 47.5,59.6
Board_2-+48V on Bottom: 12.5,31.1 12.5,34.5 9.65,34.5 9.65,31.1
Board_2-+48V on Bottom: 22.35,31.1 22.35,32.9 19.65,32.9 19.65,31.1
Board_2-+48V on Bottom: 10,21.75 31,21.75 31,19.25 10.25,19.25 10,19.5
Board_2-+48V on Bottom: 32.35,31.1 32.35,34.5 29.5,34.5 29.5,31.1
Board_2-+48V on In2.Cu, In3.Cu: 6,37 6,17.25 36,17.25 36,37
Board_2-/_{MA}A1 on Top: 27.88,24.05 27.88,19.75 29.75,19.75 29.75,24.05
Board_2-/_{MA}A1 on Top: 27.88,26.75 25.88,26.75 25.88,25.38 27.25,24 29.75,24 27.88,25.88
Board_2-/_{MA}A1' on Top: 27.25,35.75 29.75,35.75 29.75,32 27.75,30 27.75,28.25 25.75,28.25 25.75,31 27.25,32.5
Board_2-/_{MA}A2 on Top: 27.88,26.75 30.5,26.75 32.25,25 32.25,24 29.75,24 27.88,25.88
Board_2-/_{MA}A2 on Top: 30.38,24.05 30.38,19.75 32.25,19.75 32.25,24.05
Board_2-/_{MA}A2' on Top: 29.75,32 29.75,35.75 32.75,35.75 32.75,30.25 30.75,28.25 27.75,28.25 27.75,30
Board_2-/_{MA}B1 on Top: 23.88,26.75 21.75,26.75 21.75,25 22.75,24 24.75,24 23.88,24.88
Board_2-/_{MA}B1 on Top: 22.88,24.05 22.88,19.75 24.75,19.75 24.75,24.05
Board_2-/_{MA}B1' on Top: 21.75,35.75 24.75,35.75 24.75,33 23.75,32 23.75,28.25 21.75,28.25
Board_2-/_{MA}B2 on Top: 25.88,26.75 23.88,26.75 23.88,24.88 24.75,24 27.25,24 25.88,25.38
Board_2-/_{MA}B2 on Top: 25.38,24.05 25.38,19.75 27.25,19.75 27.25,24.05
Board_2-/_{MA}B2' on Top: 24.75,35.75 27.25,35.75 27.25,32.5 25.75,31 25.75,28.25 23.75,28.25 23.75,32 24.75,33
Board_2-/_{MB}A1 on Top: 15.88,24.05 15.88,19.75 17.75,19.75 17.75,24.05
Board_2-/_{MB}A1 on Top: 18.12,26.75 16.12,26.75 16.12,25.38 15.75,25 15.75,23.5 17.75,23.5 18.12,23.88
Board_2-/_{MB}A1' on Top: 17.25,35.75 14.75,35.75 14.75,32.5 16.25,31 16.25,28.25 18.25,28.25 18.25,32 17.25,33
Board_2-/_{MB}A2 on Top: 18.38,24.05 18.38,19.75 20.25,19.75 20.25,24.05
Board_2-/_{MB}A2 on Top: 20.25,23.5 20.25,26.75 18.12,26.75 18.12,23.5
Board_2-/_{MB}A2' on Top: 20.25,35.75 17.25,35.75 17.25,33 18.25,32 18.25,28.25 20.25,28.25
Board_2-/_{MB}B1 on Top: 14.12,26.75 10.75,26.75 10.75,23.5 13.25,23.5 13.25,24.5 14.12,25.38
Board_2-/_{MB}B1 on Top: 10.88,24.05 10.88,19.75 12.75,19.75 12.75,24.05
Board_2-/_{MB}B1' on Top: 12.25,32 12.25,35.75 9.25,35.75 9.25,30.25 11.25,28.25 14.25,28.25 14.25,30
Board_2-/_{MB}B2 on Top: 13.38,24.05 13.38,19.75 15.25,19.75 15.25,24.05
Board_2-/_{MB}B2 on Top: 16.12,26.75 14.12,26.75 14.12,25.38 13.25,24.5 13.25,23.5 15.75,23.5 15.75,25 16.12,25.38
Board_2-/_{MB}B2' on Top: 14.75,35.75 12.25,35.75 12.25,32 14.25,30 14.25,28.25 16.25,28.25 16.25,31 14.75,32.5
Board_2-GND on Top: 29,28.15 29,26.85 30.6,26.85 30.6,28.15
Board_2-GND on Top: 32.35,25.1 32.35,23.8 36,23.8 36,25.1
Board_2-GND on Top, Bottom: 17.75,16.5 17.75,11 12.25,11 12.25,16.5
Board_2-GND on Top, Bottom: 29.75,16.5 29.75,11 24.25,11 24.25,16.5
Board_2-GND on Top, Bottom: 36,6 36,37 6,37 6,6
Board_2-GND on Bottom: 29.75,12.25 29.75,10.75 26.75,10.75 26.75,12.25
Board_2-GND on Bottom: 19.5,22.75 21.75,22.75 21.75,20.5 21.25,20 21.25,19 19.5,19
Board_2-GND on Bottom: 18,9 19.5,9 19.5,6 18,6
Board_2-GND on Bottom: 5.5,33.25 5.5,28 28.5,28 28.5,24.5 36.5,24.5 36.5,33.25
Board_2-GND on Bottom: 13.25,12.25 13.25,10.75 10.25,10.75 10.25,12.25
Board_2-GND on In1.Cu, In2.Cu, In3.Cu, In4.Cu: 36,6 36,37 6,37 6,6
Board_2-Net-(Q2-S-Pad4) on Bottom: 22.5,24.5 21.88,23.88 21.88,22 26.5,22 26.5,26.6 22.5,26.6
Board_2-Net-(Q6-S-Pad4) on Bottom: 30.5,26.25 31,25.75 31,22 26.5,22 26.5,26.6 30.5,26.6
Board_2-Net-(Q10-S-Pad4) on Bottom: 10,22 15,22 15,25 15.5,25.5 15.5,26.6 10,26.6
Board_2-Net-(Q14-S-Pad4) on Bottom: 15.5,25.5 15,25 15,22 19.5,22 19.5,26.6 15.5,26.6
Board_3-+48V on Bottom: 44.5,31.1 44.5,34.5 41.65,34.5 41.65,31.1
Board_3-+48V on Bottom: 42,21.75 63,21.75 63,19.25 42.25,19.25 42,19.5
Board_3-+48V on Bottom: 54.35,31.1 54.35,32.9 51.65,32.9 51.65,31.1
Board_3-+48V on Bottom: 64.35,31.1 64.35,34.5 61.5,34.5 61.5,31.1
Board_3-+48V on In2.Cu, In3.Cu: 38,37 38,17.25 68,17.25 68,37
Board_3-/_{MA}A1 on Top: 59.88,26.75 57.88,26.75 57.88,25.38 59.25,24 61.75,24 59.88,25.88
Board_3-/_{MA}A1 on Top: 59.88,24.05 59.88,19.75 61.75,19.75 61.75,24.05
Board_3-/_{MA}A1' on Top: 59.25,35.75 61.75,35.75 61.75,32 59.75,30 59.75,28.25 57.75,28.25 57.75,31 59.25,32.5
Board_3-/_{MA}A2 on Top: 59.88,26.75 62.5,26.75 64.25,25 64.25,24 61.75,24 59.88,25.88
Board_3-/_{MA}A2 on Top: 62.38,24.05 62.38,19.75 64.25,19.75 64.25,24.05
Board_3-/_{MA}A2' on Top: 61.75,32 61.75,35.75 64.75,35.75 64.75,30.25 62.75,28.25 59.75,28.25 59.75,30
Board_3-/_{MA}B1 on Top: 54.88,24.05 54.88,19.75 56.75,19.75 56.75,24.05
Board_3-/_{MA}B1 on Top: 55.88,26.75 53.75,26.75 53.75,25 54.75,24 56.75,24 55.88,24.88
Board_3-/_{MA}B1' on Top: 53.75,35.75 56.75,35.75 56.75,33 55.75,32 55.75,28.25 53.75,28.25
Board_3-/_{MA}B2 on Top: 57.38,24.05 57.38,19.75 59.25,19.75 59.25,24.05
Board_3-/_{MA}B2 on Top: 57.88,26.75 55.88,26.75 55.88,24.88 56.75,24 59.25,24 57.88,25.38
Board_3-/_{MA}B2' on Top: 56.75,35.75 59.25,35.75 59.25,32.5 57.75,31 57.75,28.25 55.75,28.25 55.75,32 56.75,33
Board_3-/_{MB}A1 on Top: 50.12,26.75 48.12,26.75 48.12,25.38 47.75,25 47.75,23.5 49.75,23.5 50.12,23.88
Board_3-/_{MB}A1 on Top: 47.88,24.05 47.88,19.75 49.75,19.75 49.75,24.05
Board_3-/_{MB}A1' on Top: 49.25,35.75 46.75,35.75 46.75,32.5 48.25,31 48.25,28.25 50.25,28.25 50.25,32 49.25,33
Board_3-/_{MB}A2 on Top: 50.38,24.05 50.38,19.75 52.25,19.75 52.25,24.05
Board_3-/_{MB}A2 on Top: 52.25,23.5 52.25,26.75 50.12,26.75 50.12,23.5
Board_3-/_{MB}A2' on Top: 52.25,35.75 49.25,35.75 49.25,33 50.25,32 50.25,28.25 52.25,28.25
Board_3-/_{MB}B1 on Top: 42.88,24.05 42.88,19.75 44.75,19.75 44.75,24.05
Board_3-/_{MB}B1 on Top: 46.12,26.75 42.75,26.75 42.75,23.5 45.25,23.5 45.25,24.5 46.12,25.38
Board_3-/_{MB}B1' on Top: 44.25,32 44.25,35.75 41.25,35.75 41.25,30.25 43.25,28.25 46.25,28.25 46.25,30
Board_3-/_{MB}B2 on Top: 45.38,24.05 45.38,19.75 47.25,19.75 47.25,24.05
Board_3-/_{MB}B2 on Top: 48.12,26.75 46.12,26.75 46.12,25.38 45.25,24.5 45.25,23.5 47.75,23.5 47.75,25 48.12,25.38
Board_3-/_{MB}B2' on Top: 46.75,35.75 44.25,35.75 44.25,32 46.25,30 46.25,28.25 48.25,28.25 48.25,31 46.75,32.5
Board_3-GND on Top: 61,28.15 61,26.85 62.6,26.85 62.6,28.15
Board_3-GND on Top: 64.35,25.1 64.35,23.8 68,23.8 68,25.1
Board_3-GND on Top, Bottom: 61.75,16.5 61.75,11 56.25,11 56.25,16.5
Board_3-GND on Top, Bottom: 49.75,16.5 49.75,11 44.25,11 44.25,16.5
Board_3-GND on Top, Bottom: 68,6 68,37 38,37 38,6
Board_3-GND on Bottom: 45.25,12.25 45.25,10.75 42.25,10.75 42.25,12.25
Board_3-GND on Bottom: 61.75,12.25 61.75,10.75 58.75,10.75 58.75,12.25
Board_3-GND on Bottom: 50,9 51.5,9 51.5,6 50,6
Board_3-GND on Bottom: 51.5,22.75 53.75,22.75 53.75,20.5 53.25,20 53.25,19 51.5,19
Board_3-GND on Bottom: 37.5,33.25 37.5,28 60.5,28 60.5,24.5 68.5,24.5 68.5,33.25
Board_3-GND on In1.Cu, In2.Cu, In3.Cu, In4.Cu: 68,6 68,37 38,37 38,6
Board_3-Net-(Q2-S-Pad4) on Bottom: 54.5,24.5 53.88,23.88 53.88,22 58.5,22 58.5,26.6 54.5,26.6
Board_3-Net-(Q6-S-Pad4) on Bottom: 62.5,26.25 63,25.75 63,22 58.5,22 58.5,26.6 62.5,26.6
Board_3-Net-(Q10-S-Pad4) on Bottom: 42,22 47,22 47,25 47.5,25.5 47.5,26.6 42,26.6
Board_3-Net-(Q14-S-Pad4) on Bottom: 47.5,25.5 47,25 47,22 51.5,22 51.5,26.6 47.5,26.6

Small or netless copper shapes (teardrops, artwork), in the pictures only: 32 on Top

## Text on the board
B.Silkscreen: 12V | SCLK | MOSI | GND | MISO | 3V3 | CS | EN | DIR | STEP | THERM | STALL | NOT FOR PRODUCTION USE / MERIDI ENGINEERING JULY 2024 / DUAL TMC2160 STEPPER DRIVER MODULE / 48V MAX xArms MAX PER DRIVER | B | A
F.Silkscreen: DUAL TMC2160 48V xA / EVALUATION USE ONLY | EN | SG | corevus | B | A
V-Cuts: V-CUT
